# Altium PCB ROV_MainBoard V2.0.PcbDoc (continued)
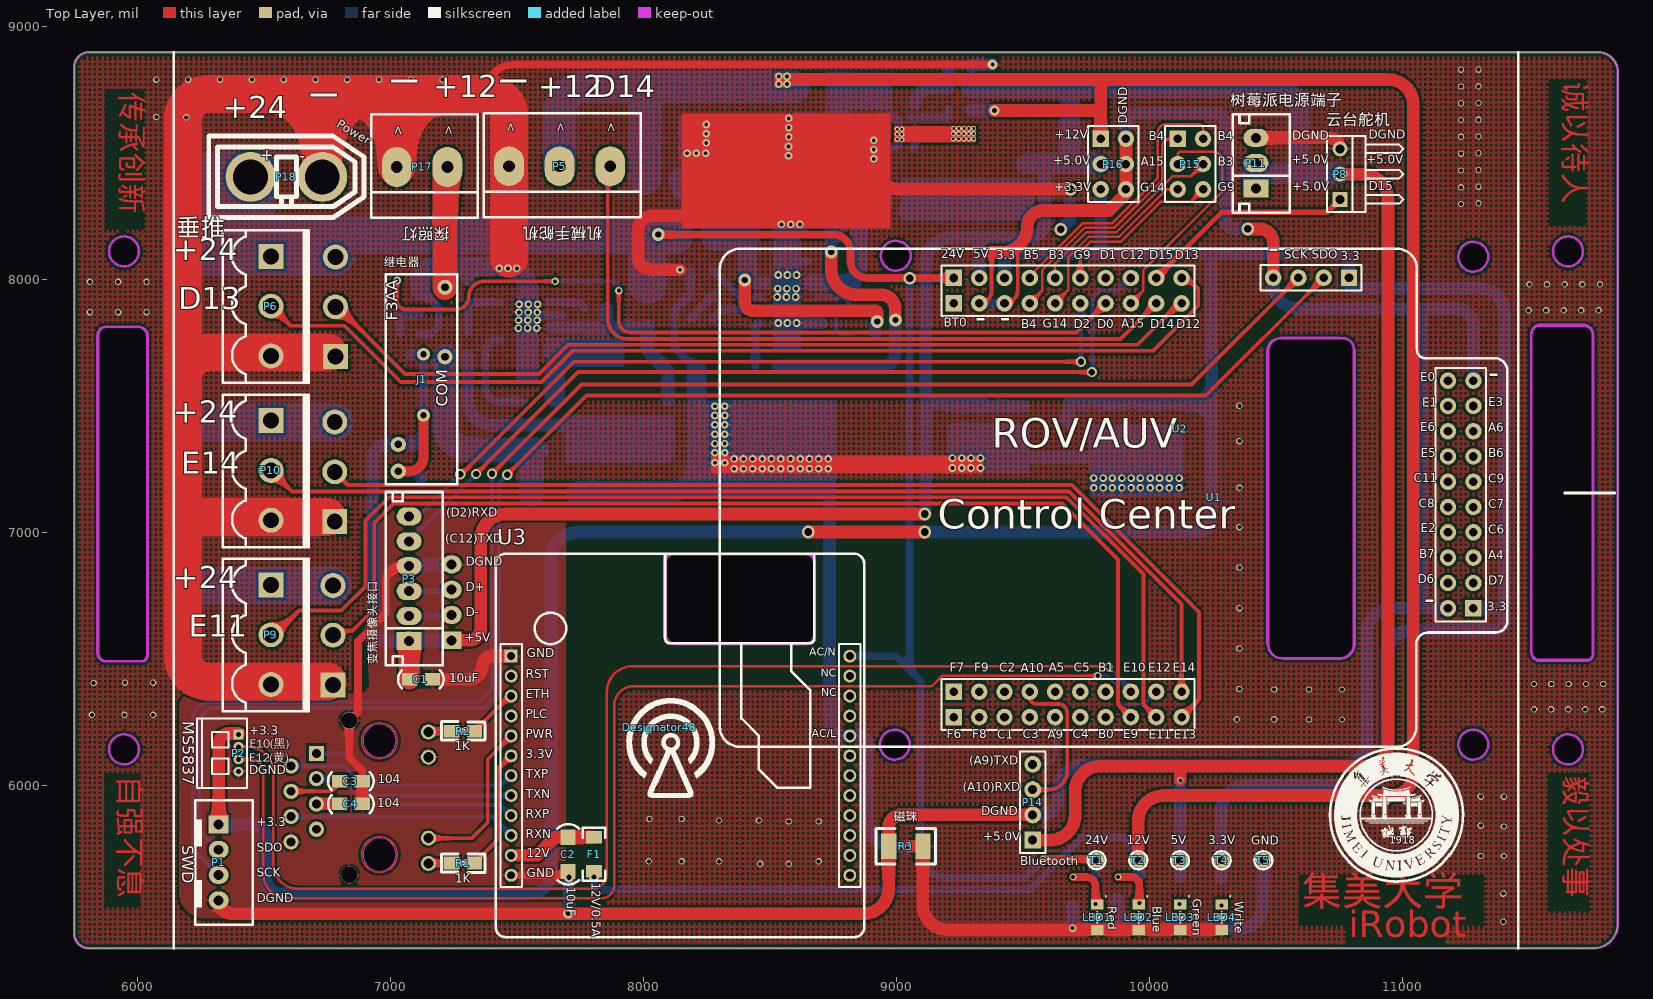
[diagram p0: Top Layer view]
## Nets (pads, with @x,y where several pads share a name; then routed paths per layer and width w, separated by ;. In a path a pad name is that pad's centre, name@x,y a point inside that pad or via, vN(x,y) a via of type N, cw(c..) or ccw(c..) an arc to the next point about the centre after c; other vN are vias at no path point)
3.3V: C12.1 C15.2 D3.2 P1.1 P2.1 P16.5 R21.1 T4.1 U1.18 U1.31 U1.61 U6.5 U6.6 U6.7 | length 13468.4
  Top Layer w30: U1.18@9425.93,8005.56 U1.18@9429.56,8005.56
  Top Layer w50: P1.1 6319.09,6162.13 cw(c6361.23,6162.13) 6361.23,6204.26 P2.1@6397.64,6204.26 ; v4(8650,7001) 9104,7001 9107,6998 ccw(c9107,7001) v4(9110,7001)
  Bottom Layer w50: P1.1 6452.31,5844.69 cw(c6452.31,5790) 6507,5790 6507,5629.97 ccw(c6566.97,5629.97) 6566.97,5570 7547,5570 ccw(c7547,5656) 7633,5656 7633,6898 cw(c7733,6898) 7733,6998 7736,7001 v4(8650,7001) ; v4(9110,7001) 10188.55,7001 ccw(c10188.55,7056.45) 10244,7056.45 10244,7508 ; U1.18 9425.93,8072.93 cw(c9455,8072.93) 9455,8102 9810,8102 ; U6.7@9680.4,7428.91 9680.4,7510.4 D3.2 ccw(c10093.05,7510.4) 10093.05,7508 10244,7508 ; P16.5 9805.94,8106.06 ccw(c9810,8106.06) 9810,8102 ; R21.1 10282.8,5874.39 cw(c10284.4,5874.39) 10284.4,5876 10284.4,5900 cw(c10384.4,5900) 10384.4,6000 10834.64,6000 ccw(c10834.64,6100) 10934.64,6100 10934.64,6512 cw(c11034.64,6512) 11034.64,6612 11362.27,6612 ccw(c11362.27,6652.73) 11403,6652.73 11403,7865 ccw(c11303,7865) 11303,7965 10829,7965 cw(c10829,8006.2) U1.61 10787.8,8059.2 ccw(c10745,8059.2) 10745,8102 10227,8102 ; U1.31 11400.86,6699.14 cw(c11400.86,6697) 11403,6697 ; 9810,8102 10227,8102 ; 10227,8102 cw(c10227,8085) 10244,8085 10244,7508
5.0V: C1.2 C11.1 C14.2 D1.2 D6.2 J1.5 P3.1 P4.1 P8.2 P11.1 P11.2 P14.1 P16.3 R20.1 R22.2 R24.1 T3.1 U1.19 U6.3 U6.4 | length 13188.4
  Top Layer w50: P4.1 7309.53,6572.77 ccw(c7309.53,6618.24) 7355,6618.24 7355,6972 cw(c7455,6972) 7455,7072 v4(9110,7072) ; P14.1 9605,5782.38 ccw(c9605,5882.38) 9705,5882.38 9705,5975.41 cw(c9805,5975.41) 9805,6075.41 10133,6075.41 ; v2(10121,6019) 10121,6063.41 cw(c10133,6063.41) 10133,6075.41 ; P8.2 10842,8415.65 cw(c10842,8315.65) 10942,8315.65 10942,6165.02 cw(c10852.39,6165.02) 10852.39,6075.41 10133,6075.41
  Top Layer w80: P3.1 7074,6568.24 C1.2
  Bottom Layer w50: D1.2 cw(c7092.17,7376.1) 7092.17,7347.27 J1.5 6982.93,7347.27 ccw(c6982.93,7292.34) 6928,7292.34 6928,6616.87 ccw(c6974.48,6616.87) 6974.48,6570.39 P3.1 cw(c7074.23,6570.39) 7074.23,6572.77 P4.1 ; v4(9110,7072) ccw(c9110,7077) 9115,7077 9115,7490 ; C14.2 9501,7497 ; U1.19 9325.93,8163.93 cw(c9328,8163.93) 9328,8166 ; C11.1 9135.11,7510.11 ccw(c9135.11,7490) 9115,7490 ; 9586,8455.48 9586,8228 cw(c9524,8228) 9524,8166 9328,8166 ; R20.1 10120.8,5701.77 ccw(c10119.58,5701.77) T3.1 10119.58,6017.58 cw(c10121,6017.58) v2(10121,6019) ; 9115,7490 9115,8066 cw(c9215,8066) 9215,8166 9328,8166
  Bottom Layer w80: R24.1 9695,8755.2 ; R22.2@9508.52,8455.48 9586,8455.48 P16.3 ; D6.2 9684.65,8744.85 cw(c9695,8744.85) 9695,8755.2 ; 10428,8412.65 cw(c10431,8412.65) 10431,8415.65 10530,8415.65 ; 10533,8415.65 10593,8415.65 ; P8.2 10593,8415.65 ; 9695,8755.2 10493,8755.2 cw(c10493,8655.2) 10593,8655.2 10593,8415.65
12.0V: D2.2 F1.1 F4.2 P5.2 P16.1 R4.1 R19.1 R23.1 T2.1 | length 11247
  Top Layer w50: 8546,8790 9797,8790 ; v7(9386,8667.2) 9804.74,8667.2 cw(c9804.74,8666) 9805.94,8666 ; P16.1 9805.94,8666 ; T2.1@9954.75,5713.45 9954.75,5859 cw(c10054.75,5859) 10054.75,5959 10955,5959 ccw(c10955,6046) 11042,6046 11042,8690 ccw(c10942,8690) 10942,8790 9797,8790 ; 9797,8790 cw(c9797,8781.06) 9805.94,8781.06 9805.94,8666
  Bottom Layer w30: v7(7803,5637) 7803,5605 ccw(c7822,5605) 7822,5586 9525,5586 9734,5795 9892,5795 9954.75,5732.25 T2.1
  Bottom Layer w50: R23.1 v7(9386,8667.2) ; T2.1 cw(c9954.75,5699.94) 9957.8,5699.94 R19.1
  Bottom Layer w130: P5.2 7667.13,8660 cw(c7767.13,8660) 7767.13,8760 8009,8760 ; R4.1 8004,8583.05 cw(c8006.6,8583.05) D2.2 8006.6,8757.6 cw(c8009,8757.6) 8009,8760 ; F4.2@8592,8760 8009,8760
  other v1: 8533,8772 8566,8772 8533,8802 8566,8802
CAMERA_USB_D+: P3.3 P4.3 | length 171.5
  Bottom Layer w20: P3.3 7234.67,6767.24 ccw(c7234.67,6772.77) P4.3
CAMERA_USB_D-: P3.2 P4.2 | length 170.6
  Bottom Layer w20: P3.2 7236.24,6668.82 ccw(c7236.24,6672.77) P4.2
DGND: C1.1 C2.1 C3.1 C4.1 P1.4 P2.4 P3.4 P4.4 P14.2 P16.2 P16.4 P16.6 R3.2 U1.2 U1.3 U1.30 U1.40 U1.64 U3.1 U3.12 U4.8 U4.10 U4.13 U4.14 | length 12845.2
  Top Layer w15: U1.2 ccw(c9325.93,7953.81) 9375,7953.81 9375,8107 ; U1.3 ccw(c9425.93,7956.74) 9477.93,7956.74 9477.93,8128.48
  Top Layer w30: 6887,5978 C3.1 6887,6056 6835.26,6107.74 U4.13 6870,6290.32 6870,6569 6980,6679 6980,6808 cw(c7037.67,6808) 7037.67,6865.67 P3.4 ; 7505.69,5643.79 C2.1@7685.49,5643.79
  Top Layer w50: P1.4 ccw(c6371.78,5544.69) 6371.78,5492 v7(7701,5492) 8868,5492 ccw(c8868,5592) 8968,5592 R3.2 8968,5833.38 cw(c9017,5833.38) 9017,5882.38 P14.2 ; C4.1 6887,5978 ; C1.1 7309,6419 ccw(c7309,6472) 7362,6472 cw(c7399.93,6472) 7399.93,6509.93 U3.1 ; 9375,8107 9416,8107 ccw(c9416,8207) 9477.93,8128.48 ccw(c9416,8207) 9516,8207 cw(c9581,8207) 9581,8272 9839,8272 9905.94,8338.94 P16.6 P16.4 P16.2 ; v4(10387.8,8199) 10434.63,8199 cw(c10434.63,8145.84) 10487.8,8145.84 U1.64
  Bottom Layer w30: U1.2 U1.3
  Bottom Layer w50: P3.4 cw(c7078.95,6865.67) 7078.95,6872.77 P4.4 ; v7(7701,5492) ccw(c7701,5495) 7704,5495 v7(7704,5636) ; P14.2 9571.38,5882.38 ccw(c9571.38,5949) 9638,5949 9638,5980 cw(c9738,5980) 9738,6080 10762,6080 ccw(c10762,6176) 10858,6176 10858,6599.14 cw(c10958,6599.14) 10958,6699.14 11073,6699.14 ; P16.2 9905.94,8617.94 cw(c9944,8617.94) 9944,8656 10258.88,8656 cw(c10258.88,8616.88) 10298,8616.88 10298,8241 ccw(c10340,8241) 10340,8199 v4(10387.8,8199) ; U1.64 10487.8,7984 ccw(c10587.8,7984) 10587.8,7884 11212.37,7884 cw(c11212.37,7816.78) 11279.59,7816.78 U1.40 ; 11074,7878 11074,6700.14 cw(c11073,6700.14) 11073,6699.14 ; U1.30 11073,6699.14
EPHY_RX_N: U3.10 U4.6 | length 901.2
  Bottom Layer w15: U4.6 7401.29,5875.66 U3.10
EPHY_RX_P: U3.9 U4.3 | length 830.8
  Bottom Layer w15: U4.3 6799.34,6025.66 6903,5922 7433.69,5922 U3.9
EPHY_TX_N: U3.8 U4.2 | length 918.9
  Bottom Layer w15: U4.2 6813.34,6075.66 6930.25,5958.75 U3.8
EPHY_TX_P: U3.7 U4.1 | length 838
  Bottom Layer w15: U4.1 6825.34,6125.66 6951,6000 7438.2,6000 U3.7
GND: C6.1 C7.2 C8.2 C9.1 C11.2 C12.2 C14.1 C15.1 C16.2 C17.1 C18.1 C19.2 C21.2 C22.1 C23.1 C24.2 D2.1 D3.1 D4.1 D5.1 D6.1 LED1.2 LED2.2 LED3.2 LED4.2 P5.3 P6.3 P7.1 P8.3 P9.3 P10.3 P11.3 P12.1 P13.1 P17.2 P18.2 Q1.2 R3.1 R8.1 R9.1 R10.1 R11.1 R15.1 R16.2 R18.2 R25.1 T5.1 U3.13 U5.4 U5.9 U6.1 U6.2 U7.6 U7.9 U8.1 | length 20490.3
  Top Layer w30: 7384,8732 7384,8749 cw(c7484,8749) 7484,8849 v10(9379,8849)
  Top Layer w50: v1(8143,8038) 8026,8038 cw(c8026,8040) 8024,8040 cw(c8024,8087) 7977,8087 7977,8192 cw(c8036,8192) 8036,8251 8222,8251 ; v1(8909,8549) v1(8909,8476) 8909,8456 ccw(c9009,8456) 9009,8356 v4(9687,8356) ; v2@9047,5758 R3.1 9103,5527.98 ccw(c9203,5527.98) 9203,5427.98 LED1.2 LED2.2 LED3.2 LED4.2 ; P11.3 10708.76,8559.23 cw(c10708.76,8515.65) P8.3
  Top Layer w150: P18.2 6728.73,8732 ; P12.1@6748.03,7059.98 6190.98,7059.98 ccw(c6190.98,7047) 6178,7047 ; P13.1@6750.03,6409.98 6278,6409.98 cw(c6278,6509.98) 6178,6509.98 6178,7047 ; P7.1@6750.03,7709.98 6278,7709.98 ccw(c6278,7609.98) 6178,7609.98 ; P17.2 7023.23,8732 ; 7467.15,8082.5 cw(c7470,8082.87) 7467.13,8082.87 P5.3 7467.13,8648.87 ccw(c7384,8648.87) 7384,8732 7023.23,8732 ; 6178,7047 6178,7609.98 ; 6178,7609.98 6178,8632 cw(c6278,8632) 6278,8732 6728.73,8732 ; 6728.73,8732 7023.23,8732
  Bottom Layer w20: U7.9 U7.9@7574.98,7858.68
  Bottom Layer w30: Q1.2 7160.42,7783.16 7190,7812.74 7190,7886.8 R8.1@7117.8,7959 ; U7.9@7574.98,7858.68 U7.6@7680,7858.68 ; R9.1 8183.49,8036.8 8183.49,7940.8 8120,7877.31 8120,7730 C16.2 ; C7.2@8635.11,8186.81 8517,8186.81 cw(c8517,8162.61) 8541.2,8162.61 8541.2,8065 cw(c8548.2,8065) 8548.2,8072 C6.1@8649.8,8072 ; C24.2@8645,8494 C24.2
  Bottom Layer w50: R8.1@7117.8,7959 cw(c7217.8,7959) 7136.8,8017.65 ; R15.1 7305.8,8050.34 ; 8201.91,7227.28 8634,7227.28 cw(c8634,7127.28) 8734,7127.28 8734,6242.96 ccw(c8781.99,6242.96) 8781.99,6194.97 U3.13 8854.03,6194.97 cw(c8854.03,6165) 8884,6165 8884,5856 ccw(c8984,5856) 8984,5756 v2(9045,5756) ; v1@8573,7825 cw(c8577.2,7825) 8577.2,7829.2 U5.4@8701,7829.2 ; C24.2 8645,8619 C23.1 ; 8905,8572 8905,8419 ccw(c8936,8419) C21.2 8954,8370 C22.1 ; C14.1 9475,7407 ; R25.1@9296.31,8843 ccw(c9296.31,8841.2) R25.1 9294.51,8841 9302.51,8849 v10(9379,8849) ; 9506,7407 9475,7407 ; v4(9648,8197) 9684.65,8233.65 D6.1 ; v1@9694.83,5435 R16.2@9694.83,5522.51 ; v1@9695.04,5431.17 9870.8,5431.17 ; C15.1 10026.05,7400 D3.1 cw(c10050.25,7335.4) 10050.25,7295 9508,7295 cw(c9508,7328) 9475,7328 9475,7407 ; R18.2 9870.8,5431.17 ; T5.1 10449.23,5531.17 cw(c10349.23,5531.17) 10349.23,5431.17 9870.8,5431.17
  Bottom Layer w80: R8.1@7117.8,7959 7117.8,7991.05 cw(c7177.08,7991.05) 7177.08,8050.34 7305.8,8050.34 7444.53,8050.34 cw(c7444.53,7950.34) 7544.53,7950.34 U7.9 ; D4.1@7729.6,7149.65 cw(c7741.6,7149.65) 7741.6,7161.65 8108,7161.65 ccw(c8108,7261.65) 8201.91,7227.28 ccw(c8108,7261.65) 8208,7261.65 C19.2 C16.2
  other v1: 9695.04,5435 9779,7175 9815.5,7175 9852,7175 9890,7175 9926.5,7175 9963,7175 10002,7175 10038.5,7175 10077,7175 10116,7175 9779,7214 9815.5,7214 9852,7214 9890,7214 9926.5,7214 9963,7214 10002,7214 10038.5,7214 10077,7214 10116,7214 8357,7251 8393.5,7251 8430,7251 8468,7251 8504.5,7251 8541,7251 8580,7251 8618,7251 8654.5,7251 8691,7251 8729,7251 9220,7254 9256.5,7254 9293,7254 9331,7254 8281,7275 8320,7275 8357,7290 8393.5,7290 8430,7290 8468,7290 8504.5,7290 8541,7290 8580,7290 8618,7290 8654.5,7290 8691,7290 8729,7290 9220,7293 9256.5,7293 9293,7293 9331,7293 8281,7314 8320,7314 8281,7350.5 8320,7350.5 8281,7387 8320,7387 8281,7425 8320,7425 8281,7461.5 8320,7461.5 8281,7498 8320,7498 7504,7807 7540.5,7807 7577,7807 8531,7827 8567.5,7827 8604,7827 7505,7838 7541.5,7838 7578,7838 7506,7869 7542.5,7869 7579,7869 7507,7901 7543.5,7901 7580,7901 8527,7930 8563.5,7930 8600,7930 8529,7963 8565.5,7963 8602,7963 8531,8017 8567.5,8017 8604,8017 7428,8043 7463,8043 7498,8043 8544,8217 8580.5,8217 8617,8217 8572,8488.5 8171,8498 8207.5,8498 8244,8498 8909,8512.5 8572,8525 8247,8539 8573,8563 8247,8575.5 8573,8599.5 8247,8612 8573,8636
  other v2: 11397.64,5460 11397.64,5570.87 8460,5688.98 8572.83,5688.98 8020,5698.82 8149.61,5698.82 8297.24,5698.82 8690.94,5698.82 11309.06,5720 11400,5720 11400,5836.61 11309.06,5840 8572.83,5856.3 8690.94,5856.3 8297.24,5860 8454.72,5860 8021.65,5866.14 8149.61,5866.14 11309.06,5954.72 11400,5954.72 10344.49,6260 10492.13,6260 10629.92,6259.84 10760,6259.84 5818,6278 5947,6278 6060,6278 11520,6300 11587.25,6300 11654.5,6300 11721.75,6300 11789,6300 10492.13,6377.95 10629.92,6377.95 10760,6377.95 10354.33,6380 11519,6400 11587.5,6400 11656,6400 11724.5,6400 11793,6400 5825,6404 5949,6405 6060,6405 10354.33,6540 10354.33,6700 10354.33,6860.24 10354.33,7020 10354.33,7175.2 10354.33,7360 10354.33,7500 5810,7870 5922,7870 6034,7870 11498,7877 11567.25,7877 11636.5,7877 11705.75,7877 11775,7877 11501,7980 11570.75,7980 11640.5,7980 11710.25,7980 11780,7980 5810,7990 5922,7990 6034,7990 11230.32,8297.24 11300,8300 11230.32,8363.68 11300,8366.09 11230.32,8430.12 11300,8432.18 11230.32,8496.56 11300,8498.28 11230.32,8562.99 11300,8564.37 11230.32,8629.43 11300,8630.46 6190.94,8640 6072.83,8641.73 11230.32,8695.87 11300,8696.56 11230.32,8762.3 11300,8762.65 6072.83,8789.37 6198.6,8789.37 6324.37,8789.37 6450.13,8789.37 6575.9,8789.37 6701.66,8789.37 6827.43,8789.37 6953.19,8789.37 7078.96,8789.37 7204.72,8789.37 11230.32,8828.74 11300,8828.74
I2C_SCL(E10): P2.2 U1.53 | length 4878.9
  Top Layer w10: P2.2 6435,6151.57 cw(c6435,6051.57) 6535,6051.57 6535,5690 ccw(c6635,5690) 6635,5590 7793,5590 ccw(c7793,5651) 7854,5651 7854,6369.78 cw(c7954,6369.78) 7954,6469.78 9836.22,6469.78 v9(9837,6469)
  Bottom Layer w10: P2.2@6397.64,6135.05 P2.2 ; v9(9837,6469) 9925.54,6380.46 U1.53
I2C_SDA(E12): P2.3 U1.52 | length 5013.9
  Top Layer w10: P2.3 6444.64,6102.36 cw(c6444.64,6052) 6495,6052 6495,5652 ccw(c6595,5652) 6595,5552 7831,5552 ccw(c7831,5604) 7883,5604 7883,6315 cw(c7959,6315) 7959,6391 8802,6391 8802.04,6391.04 9139.04,6391.04 9181,6433 v9(9794,6433)
  Bottom Layer w10: v9(9794,6433) 9831,6433 9873,6391 9873,6338 9891,6320 9976.57,6320 U1.52
IN_24V: F2.1 F3.1 P6.1 P7.3 P9.1 P10.1 P12.3 P13.3 P18.1 R17.1 T1.1 U1.20 U3.16 | length 10629.5
  Top Layer w30: v5(8057,8177) ccw(c8058,8177) 8058,8176 8750.43,8176 cw(c8750.43,8109.43) 8817,8109.43 8817,8071.53 ccw(c8883.4,8071.53) 8883.4,8005.13 U1.20 ; v2(9579,5708) T1.1@9784.73,5708
  Top Layer w50: T1.1@9786.94,5700 T1.1
  Bottom Layer w30: 8844.27,6509.93 8995,6509.93 9051,6453.93 ; v4(9051,8004) 9051,6453.93 ; v2(9579,5708) 9505,5634 9195,5634 cw(c9195,5734) 9095,5734 9095,6409.93 9051,6453.93 ; R17.1 9784.8,5697.85 cw(c9789.93,5697.85) T1.1
  Bottom Layer w150: 6371.7,8176.7 6968,8176.7 ; P18.1@6405.27,8405 6273,8405 ccw(c6273,8305) 6173,8305 6173,8076 ; 6463,8113 P7.3@6742,8113 ; P13.3 6273,6789.7 cw(c6273,6889.7) 6173,6889.7 6173,7430 ; P12.3 6178.7,7435.7 ccw(c6178.7,7430) 6173,7430 ; P7.3 6184.7,8087.7 ccw(c6184.7,8076) 6173,8076 ; 6781,8175.81 F2.1@8121.19,8175.81 ; F3.1 8015,8160.81 ; 6173,7430 6173,8076
IO(F6): U1.41
LIGHT(D0): R6.2 U1.7 | length 3187.7
  Top Layer w15: v8@7024,7995 7024,7915 ccw(c7058,7915) 7058,7881 7258,7881 ccw(c7258,7931) 7308,7931 cw(c7369,7931) 7369,7992 v8(7649,7992) ; v8(7901,7955) 7901,7833.82 ccw(c7944.82,7833.82) 7944.82,7790 9710.8,7790 U1.7
  Bottom Layer w15: v8@7024.2,7994.2 cw(c7025,7994.2) v8(7025,7995) ; v8(7649,7992) 7881,7992 cw(c7881,7972) 7901,7972 v8(7901,7955)
LIGHT_12.0V: D4.2 J1.1 R12.1 | length 870.6
  Bottom Layer w100: J1.1 7214.02,7425 ccw(c7314.02,7425) 7314.02,7325 R12.1 ccw(c7573,7306.6) 7554.6,7306.6 D4.2@7554.6,7149.65
LIGHT_PWR+: J1.3 P17.1 | length 480.9
  Top Layer w100: J1.3 7214.02,8434.73 cw(c7223.23,8434.73) P17.1
NetC3_2: C3.2 U4.4 | length 238.8
  Top Layer w15: U4.4 6763.66,5975.66 C3.2@6820.5,6032.5
NetC4_2: C4.2 U4.5 | length 92.1
  Top Layer w50: U4.5 6705.26,5926 C4.2
NetC5_1: C5.1 L1.1 U5.1 | length 1129.1
  Bottom Layer w70: L1.1@8407.72,8596.74 8407.72,8512 ccw(c8507.72,8512) 8507.72,8412 8764,8412 cw(c8764,8324) 8852,8324 8852,8067.79 cw(c8752,8067.79) 8822.71,7997.08 C5.1 U5.1@8669,7986.65
NetC5_2: C5.2 U5.2 | length 152.1
  Bottom Layer w20: U5.2 8779.72,7929.2 cw(c8779.72,7896.65) C5.2
NetC6_2: C6.2 C7.1 L1.2 R4.2 R7.1 | length 1962.9
  Top Layer w50: v5(8741,8108) 8741,8039 ccw(c8841,8039) 8841,7939 8936.64,7939 cw(c8936.64,7881.64) 8994,7881.64 v5@8994,7839
  Bottom Layer w50: R7.1 8944.27,7657.2 ccw(c8944.27,7707.93) 8995,7707.93 v5(8995,7839) ; C6.2 C7.1@8739.8,8163.39
  Bottom Layer w80: R4.2 ccw(c8215,8398) 8215,8322 8706,8322 cw(c8706,8274.78) 8753.22,8274.78 C7.1
NetC8_1: C8.1 C9.2 F2.2 R5.1 U5.8 | length 1027.7
  Top Layer w50: v5(8399,7997) 8399,7911 ccw(c8434,7911) 8434,7876 8912.54,7876 cw(c8912.54,7865.54) 8923,7865.54 v5(8923,7833)
  Bottom Layer w50: R5.1 8915.21,7825.21 cw(c8923,7825.21) v5(8923,7833)
  Bottom Layer w80: F2.2 cw(c8287.23,8174) F2.2@8287.23,8176.81 ; v5@8410,8004 C9.2 C8.1@8410,8195.7
  Bottom Layer w130: F2.2@8287.23,8176.81 C8.1
NetC10_1: C10.1 R10.2 | length 139.3
  Bottom Layer w30: C10.1 8273.49,7936.49 R10.2@8273.49,7940.8 ; C10.1@8194.38,7846.51 cw(c8194.38,7843.85) C10.1@8197.04,7843.85
NetC10_2: C10.2 U5.6 | length 202.3
  Bottom Layer w30: C10.2 8306.2,7879.2 U5.6
NetC13_1: C13.1 D5.2 L2.1 U7.8 | length 111.3
  Bottom Layer w80: 7642,7713 cw(c7642,7709.6) 7645.4,7709.6 ; 7647.4,7535.4 D5.2
NetC13_2: C13.2 U7.1 | length 412.3
  Bottom Layer w30: U7.1 7414.68,7758.68 ccw(c7414.68,7719) 7375,7719 7375,7564 ccw(c7422,7564) 7422,7517 7523,7517 cw(c7523,7516) C13.2
NetC16_1: C16.1 C18.2 F3.2 R13.1 U7.7 | length 792.2
  Bottom Layer w50: U7.7@7634,7808.68 7865,7808.68 ; R13.1 7853.51,7820.17 ccw(c7865,7820.17) 7865,7808.68 ; F3.2 F3.2@8015,7808.68 ; C18.2 8096,7635.89 C16.1 8015,7716.89 F3.2@8015,7808.68 ; 7865,7808.68 F3.2@8015,7808.68
NetC17_2: C17.2 C19.1 L2.2 R12.2 R14.1 | length 843
  Bottom Layer w50: R14.1 7304.2,7524 ccw(c7404.2,7524) 7404.2,7424 7778,7424 ccw(c7778,7427) 7781,7427 ; C19.1@8096,7306.11 C17.2
NetC20_1: C20.1 U8.6 | length 95.1
  Bottom Layer w25: C20.1@9059,8516 ccw(c9059,8528.97) 9071.97,8528.97 U8.6
NetC20_2: C20.2 L3.2 U8.2 | length 216.3
  Bottom Layer w25: C20.2@8969,8516 ccw(c8969,8555) C20.2@8993.75,8524.86
  Bottom Layer w35: U8.2@8933,8641.08 U8.2 8984.92,8641.08 cw(c8984.92,8618) 9008,8618 9008,8539.11 cw(c8993.75,8539.11) C20.2@8993.75,8524.86
  other v3: 9020,8552 9001,8553 9224,8555 9244,8555 9265,8555 9285,8555 9304,8555 9020,8573 9001,8573.5 9224,8575.5 9244.5,8575.5 9265,8575.5 9285,8575.5 9304,8575.5 9020,8593 9001,8594 9225,8596 9245,8596 9266,8596 9285,8596 9304,8596
NetC21_1: C21.1 C22.2 L3.1 R22.1 | length 448
  Bottom Layer w80: C22.2 9492,8273
NetC23_2: C23.2 C24.1 F4.1 U8.3
NetD1_1: D1.1 J1.4 Q1.3 | length 712.2
  Top Layer w40: J1.4 7072.3,7240.97 ccw(c7072.3,7297.67) 7129,7297.67 v5(7129,7463)
  Bottom Layer w40: J1.4 7075.03,7240.97 cw(c7075.03,7195) D1.1 ; Q1.3 v5(7129,7703.16) v5(7129,7463) ccw(c7130,7463) v5@7130,7462
NetLED1_1: LED1.1 R16.1 R17.2 | length 179.3
  Top Layer w30: v2(9697,5637) 9747,5637 cw(c9747,5598) 9786,5598 v2(9786,5530)
NetLED2_1: LED2.1 R18.1 R19.2 | length 173.3
  Top Layer w30: v2(9875,5637) 9927,5637 cw(c9927,5605) 9959,5605 v2(9959,5534)
NetLED3_1: LED3.1 R20.2
  other v2: 10118,5531
NetLED4_1: LED4.1 R21.2
  other v2: 10284,5525
NetQ1_1: Q1.1 R6.1 R8.2 | length 162.6
  Bottom Layer w30: R6.1 R8.2 ; Q1.1 R6.1@7036.48,7852.21
NetR1_1: R1.1 U4.12 | length 93
  Top Layer w30: U4.12 7149.76,5692.2 R1.1
NetR2_2: R2.2 U4.9 | length 93.8
  Top Layer w30: U4.9 7151.66,6213.8 R2.2
NetR5_2: R5.2 U5.3 | length 218.9
  Bottom Layer w20: U5.3 8733.8,7879.2 cw(c8733.8,7853) 8760,7853 8760,7808.21 ccw(c8782.21,7808.21) 8782.21,7786 R5.2
NetR7_2: R7.2 R11.2 U5.5 | length 182.4
  Bottom Layer w30: R7.2 R11.2 8440.51,7810.98 cw(c8458.72,7810.98) U5.5
NetR9_2: R9.2 U5.7 | length 232.6
  Bottom Layer w30: R9.2 8381.09,7929.2 U5.7
NetR13_2: R13.2 U7.5 | length 152.5
  Bottom Layer w30: U7.5@7625,7908.68 7739.04,7908.68 cw(c7739.04,7884.2) R13.2
NetR14_2: R14.2 R15.2 U7.4 | length 247.2
  Bottom Layer w30: R14.2 7305.8,7791.08 R15.2 7305.96,7908.68 U7.4
NetR23_2: R23.2 U8.5 | length 152.3
  Bottom Layer w30: U8.5@9054,8641.08 9202.84,8641.08 ; R23.2@9202.84,8671.08 ccw(c9202.84,8673.25) R23.2@9205.02,8673.25
NetR24_2: R24.2 R25.2 U8.4 | length 237.8
  Bottom Layer w50: 9072,8693 cw(c9134.2,8693) 9134.2,8755.2 R24.2 ; R25.2 9204.51,8772.18 R24.2@9205.02,8771.68
PLC_3.3V: R1.2 U3.6 | length 484.2
  Top Layer w15: R1.2 7419,5780.69 7419,6059.54 U3.6
PLC_12V: C2.2 F1.2 U3.11 | length 327
  Top Layer w50: 7505.69,5722.53 7577.53,5722.53 7649.1,5794.1 C2.2 ; C2.2@7700.8,5794 F1.2
PLC_ETH: R2.1 U3.3 | length 196.1
  Top Layer w15: R2.1 U3.3@7469.17,6352.45
PLC_PWR: U3.5 U4.11 | length 641.1
  Top Layer w15: U4.11 7320.46,5790.46 7383,5853 7383,6102.28 U3.5
SPI1_MISO(B4): P15.1 U1.4 | length 984.5
  Top Layer w10: U1.4@9525.35,7905.17 9575,7954.82 9575,8036 9743,8204 9860.46,8204 10050,8393.54 10050,8525.45 cw(c10080.03,8525.45) 10080.03,8555.48 P15.1
SPI1_MOSI(B5): P15.2 U1.17 | length 1099.7
  Top Layer w10: U1.17@9525.35,8005.56 9525.35,8011.8 9735.54,8222 9853,8222 10032,8401 10032,8580 cw(c10065,8580) 10065,8613 10190.55,8613 cw(c10190.55,8592.61) 10210.94,8592.61 P15.2
SPI1_NSS(A15): P15.3 U1.8 | length 953.3
  Top Layer w10: U1.8@9924.95,7905.17 9974,7954.21 9974,8034 10286,8346 10286,8470 ccw(c10251,8470) 10251,8505 10124,8505 ccw(c10124,8491.94) 10110.94,8491.94 P15.3
SPI1_SCK(B3): P15.4 U1.16 | length 804.5
  Top Layer w10: U1.16@9625.15,8005.56 9625.15,8060.69 9750.46,8186 9867.91,8186 10088.91,8407 10162.47,8407 P15.4
SWD_SCK: P1.3 U1.63 | length 6260.9
  Top Layer w15: v6(7400,7231) 7753,7584 10165.59,7584 U1.63
  Bottom Layer w15: P1.3 6217,5746.78 6217,6259 cw(c6285.55,6259) 6285.55,6327.55 7348.55,6327.55 7400,6379 v6(7400,7231)
SWD_SDO: P1.2 U1.62 | length 6200
  Top Layer w15: v6(7460,7227) 7773,7540 10221.59,7540 U1.62
  Bottom Layer w15: P1.2 6242,5821.78 6242,6182 cw(c6342,6182) 6243.53,6199.44 6243.53,6241.14 cw(c6306.94,6241.14) 6306.94,6304.55 7367.55,6304.55 7427,6364 7427,7194 v6(7460,7227)
TIM1(D12): P7.2 U1.10 | length 3599.7
  Top Layer w15: P7.2@6751,7890.85 6791.15,7890.85 7056,7626 7585,7626 7700,7741 9951,7741 10115.17,7905.17 U1.10@10125.35,7905.17
TIM1(D13): P6.2 U1.11 | length 4065.9
  Top Layer w15: P6.2 6603.71,7816 6817,7816 7039,7594 7595,7594 7718,7717 10013,7717 10192,7896 10192,7962 10148.44,8005.56 U1.11@10125.35,8005.56
TIM1(D14): P5.1 U1.9 | length 2875.3
  Top Layer w15: P5.1@7857.13,8446.85 7857.13,7843.87 ccw(c7937,7843.87) 7937,7764 9884.18,7764 U1.9@10025.35,7905.17
TIM1(D15): P8.1 U1.12 | length 855.4
  Top Layer w20: U1.12@10025.35,8005.56 10284.79,8265 10591.68,8265 10701.68,8265 P8.1
TIM1(E9): P13.2 U1.48 | length 4283.2
  Top Layer w15: P13.2@6741,6592.85 6758.13,6609.98 6846.98,6609.98 6934,6697 6934,7037 7010.45,7113.45 9652.55,7113.45 9874,6892 9874,6320.35 U1.48@9924.95,6269.39
TIM1(E11): P9.2 U1.49 | length 4538.1
  Top Layer w15: P9.2 6541.49,6594.49 6637,6690 6804,6690 6900,6786 6900,7046 6992,7138 9671.47,7138 9975,6834.47 9975,6319.74 U1.49@10025.35,6269.39
TIM1(E13): P12.2 U1.50 | length 4120.3
  Top Layer w15: P12.2@6748,7238.85 6778.65,7238.85 6831,7186.5 9692.5,7186.5 10195,6684 10195,6339.05 U1.50@10125.35,6269.39
TIM1(E14): P10.2 U1.51 | length 4164.7
  Top Layer w15: P10.2 6609.1,7161 9681,7161 10125.35,6716.65 U1.51@10125.35,6369.79
U1_RX(A10): P14.3 U1.57 | length 613
  Top Layer w15: U1.57 9525.93,6346.43 ccw(c9551,6346.43) 9551,6321.36 9637.45,6321.36 cw(c9637.45,6285.08) 9673.73,6285.08 9673.73,6133.3 9673.73,6056.38 cw(c9599.73,6056.38) 9599.73,5982.38 P14.3
U1_TX(A9): P14.4 U1.45 | length 255.9
  Bottom Layer w15: P14.4 9581.39,6082.38 ccw(c9581.39,6126.72) 9625.73,6126.72 U1.45
U5_RX(D2): P3.6 U1.6 | length 3159.2
  Top Layer w15: v6(7274,7229) 7279.53,7229 7724.53,7674 v6(9728,7674)
  Bottom Layer w15: P3.6 7106.52,7062.52 v6@7286,7242 ; U1.6@9725.15,7905.17 9728,7902.31 v6(9728,7674)
U5_TX(C12): P3.5 U1.13 | length 3462.7
  Top Layer w15: v6(7337,7230) 7740,7633 v6(9771,7633)
  Bottom Layer w15: P3.5 7201.76,7094 7201.76,7094.76 v6(7337,7230) ; v6@9774,7625 9774,7928 9802,7956 9875.39,7956 U1.13@9924.95,8005.56
U6_RX(G9): P15.6 U1.15 | length 691.2
  Top Layer w10: U1.15@9725.15,8005.56 9725.15,8108.69 9764.46,8148 9884.46,8148 10042.46,8306 10161.47,8306 P15.6
U6_TX(G14): P15.5 U1.5 | length 747.9
  Top Layer w10: U1.5@9625.15,7905.17 9677,7957.02 9677,8086 9759,8168 9879,8168 10066.48,8355.48 P15.5
pads on no net: U1.1 U1.14 U1.21 U1.22 U1.23 U1.24 U1.25 U1.26 U1.27 U1.28 U1.29 U1.32 U1.33 U1.34 U1.35 U1.36 U1.37 U1.38 U1.39 U1.42 U1.43 U1.44 U1.46 U1.47 U1.54 U1.55 U1.56 U1.58 U1.59 U1.60 U3.0 U3.2 U3.4 U3.14 U3.15 U4.7 U4.MH3 U6.8 U7.2 U7.3

## Polygon pours and split planes (outlines as drawn)
GND on Top Layer "Top Layer-No Net" (hatched 90Degree grid 20 track 10, remove dead copper, pour order 10): 5356,8349 ccw(c5356,8391) 5398,8391 5398,8938 5398,9039 cw(c5498,9039) 5498,9139 7047,9139 11970,9139 cw(c11970,9039) 12070,9039 12070,6804 12070,5213 cw(c11970,5213) 11970,5113 11446,5113 5518,5113 cw(c5518,5213) 5418,5213 5418,5689
DGND on Top Layer "Top Layer-No Net" (solid, remove dead copper, pour order 6): 6885,6866 6885,7069 cw(c6980,7069) 6980,7164 7166,7164 7591,7164 cw(c7591,7064) 7691,7064 7691,6503 7691,5574 cw(c7591,5574) 7591,5474 7493,5474 6264,5474 cw(c6264,5574) 6164,5574 6164,5622 6164,6311 cw(c6216,6311) 6216,6363 6875,6363 ccw(c6875,6402) 6914,6402
GND on Bottom Layer "Top Layer-No Net" (hatched 90Degree grid 20 track 10, remove dead copper, pour order 12): 5477,7821 5477,8640 5477,8937 cw(c5577,8937) 5577,9037 6283,9037 12076,9037 cw(c12076,8937) 12176,8937 12176,8180 12176,5249 cw(c12076,5249) 12076,5149 11205,5149 5602,5149 cw(c5602,5249) 5502,5249 5502,5798

## Keep-outs
Keep-Out Layer:
  circle w10: c8992,6160 r59.06
  circle w10: c8996,8093 r59.06
  circle w10: c5944.88,8110.24 r59.06
  circle w10: c5944.88,6141.73 r59.06
  circle w10: c11653.54,6141.73 r59.06
  circle w10: c11653.54,8110.24 r59.06
  circle w10: c11279,8089 r59.06
  circle w10: c11279,6160 r59.06
  lines w10: 6036,7775.58 ccw(c5999.58,7775.58) 5999.58,7812 5876,7812 ccw(c5876,7779) 5843,7779 5843,6521 ccw(c5874,6521) 5874,6490 6012.52,6490 ccw(c6012.52,6513.48) 6036,6513.48 6036,7777 ; 8086,6815 8086,6887 ; 8086,6822 8086,6597 ccw(c8124,6597) 8124,6559 8640,6559 ccw(c8640,6592) 8673,6592 8673,6883 ccw(c8644,6883) 8644,6912 8111,6912 ccw(c8113.5,6884.5) 8086,6882 ; 10807,6550 10807,7724.13 ccw(c10764.13,7724.13) 10764.13,7767 10519,7767 ccw(c10519,7716) 10468,7716 10468,6557.3 ccw(c10524.3,6557.3) 10524.3,6501 10750.04,6501 ccw(c10750.04,6557.96) 10807,6557.96 ; 11752,7780.58 ccw(c11715.58,7780.58) 11715.58,7817 11542,7817 ccw(c11542,7784) 11509,7784 11509,6526 ccw(c11540,6526) 11540,6495 11728.52,6495 ccw(c11728.52,6518.48) 11752,6518.48 11752,7782 ; 5748.03,5413.39 ccw(c5807.09,5413.39) 5807.09,5354.33 11751.97,5354.33 ccw(c11751.97,5452.76) 11850.39,5452.76 11850.39,8818.9 ccw(c11771.65,8818.9) 11771.65,8897.64 5807.09,8897.64 ccw(c5807.09,8838.58) 5748.03,8838.58 5748.03,5413.39

## Other copper
Top Layer:
  rectangle net GND: 8266,7233 9342,7304
  rectangle net NetC20_2: 8989,8541 9313,8605
  rectangle net 12.0V: 8515,8758 8582,8816
  rectangle net GND: 8148,8201 8975,8655
  text "诚以待人" at 11610,8780 h150 r270
  text "传承创新" at 5905,8742 h150 r270
  text "毅以处事" at 11613,6038 h150 r270
  text "自强不息" at 5896,6035 h150 r270
  text "集美大学" at 10600,5486 h200
  text "iRobot" at 10786,5364 h180
Bottom Layer:
  rectangle net GND: 9201,7233 9524,7418
  rectangle net NetC21_1: 9015,8230 9544,8397
  rectangle net IN_24V: 6102,8037 6538,8505
  rectangle net GND: 8881,8563 8981,8612
  rectangle net NetC23_2: 8740,8669 8981,8818
  rectangle net NetC23_2: 8722,8470 8813,8821
  rectangle net GND: 8510,7722 8622,8226
  rectangle net NetC17_2: 7689,7274 8108,7461
  rectangle net NetC5_1: 8634,7959 8791,8009
  region net NetC13_1: 7923,7769 7611,7769 7611,7654 7923,7654
  region net GND: 7583,7933 7494,7933 7494,7591 7583,7591
  rectangle net NetC8_1: 8384,7962 8498,8011
  rectangle net GND: 8533,8469 8677,8660
  rectangle net GND: 8135,8464 8272,8639
  rectangle net GND: 8169,7131 8760,7522
  rectangle net GND: 9759,7144 10134,7425
  rectangle net 5.0V: 10367,8327 10466,8488

## Silkscreen, mask and mechanical layers (free items; w line width, h text height)
Top Overlay:
  lines w10: 6141.73,5354.33 6141.73,8897.64 ; 11456.69,5354.33 11456.69,8897.64 ; 11641.15,7155 11838,7155
  text "+12" at 7168,8690 h150
  text "+12" at 7583,8690 h150
  text "D14" at 7799,8690 h150
  text "DGND" at 9922,8615 h60 r90
  text "+24" at 6335,8606 h150
  text "-" at 6982,8588.67 h500
  text "-" at 7412,8588.67 h500
  text "+12V" at 9624,8543 h60
  text "DGND" at 10866.14,8543.31 h60
  text "DGND" at 10564,8540 h60
  text "B4" at 10267.94,8538 h60
  text "B4" at 9996.52,8537 h60
  text "-" at 6664,8534 h500
  text "+5.0V" at 10856.3,8444.88 h60
  text "+5.0V" at 10562,8444 h60
  text "+5.0V" at 9619,8440 h60
  text "B3" at 10267.94,8437.28 h60
  text "A15" at 9964,8436.28 h60
  text "D15" at 10866.14,8340 h60
  text "+5.0V" at 10563,8339 h60
  text "+3.3V" at 9622,8337 h60
  text "G9" at 10268,8336 h60
  text "G14" at 9962.72,8335 h60
  text "垂推" at 6152,8147 h120
  text "+24" at 6139,8045 h150
  text "D13" at 6159.82,7851 h150
  text "+24" at 6139,7403 h150
  text "ROV/AUV" at 9376,7294 h200
  text "E14" at 6171.9,7202 h150
  text "(D2)RXD" at 7219,7050 h60
  text "(C12)TXD" at 7214,6947 h60
  text "DGND" at 7295,6855 h60
  text "D+" at 7296,6755 h60
  text "+24" at 6139,6748 h150
  text "D-" at 7296,6655 h60
  text "E11" at 6200.21,6557 h150
  text "+5V" at 7292,6555 h60
  text "+3.3" at 6440,6188 h60
  text "E10(黑)" at 6442,6136 h60
  text "E12(黄)" at 6440,6081 h60
  text "(A9)TXD" at 9286,6069 h60
  text "DGND" at 6440,6032 h60
  text "(A10)RXD" at 9261,5964 h60
  text "DGND" at 9334,5869 h60
  text "+3.3" at 6470.06,5825 h60
  text "+5.0V" at 9342,5768 h60
  text "SDO" at 6470.06,5725.33 h60
  text "SCK" at 6470.06,5625.67 h60
  text "DGND" at 6470,5526 h60
Bottom Overlay:
  text "+24" at 6083,8180 h120 r90
  text "垂推" at 6454,7930 h120
  text "D12" at 6444,7855 h120
  text "Raspberry  Pi" at 10228,7651 h250
  text "-" at 6336,7586 h500
  text "+24" at 7004,7517 h120 r90
  text "E13" at 6999,7289 h120 r90
  text "-" at 6334,6935 h500
  text "+24" at 7005,6877 h120 r90
  text "DGND" at 7520,6861 h60
  text "D+" at 7441.52,6760 h60
  text "D-" at 7439,6661 h60
  text "E9" at 7005,6635 h120 r90
  text "+5V" at 7469.77,6572 h60
  text "-" at 6357,6289 h500
Top Solder:
  lines w70: 9020,8573 9285.5,8573.5
  text "诚以待人" at 11610,8781 h150 r270
  text "传承创新" at 5906,8743 h150 r270
  text "毅以处事" at 11613,6039 h150 r270
  text "自强不息" at 5895,6035 h150 r270
  text "集美大学" at 10599,5488 h200
  text "iRobot" at 10786,5364 h180
Bottom Solder:
  rectangle: 6102,8037 6538,8505
  lines w150: 6173,6889.7 ccw(c6273,6889.7) 6273,6789.7 ; 6176,6898 6176,8038 6225.7,8087.7 6781,8087.7 ; 6229.3,7435.7 6778,7435.7 ; 6273,6789 6770.3,6789 ; 6459,8177 8018,8177 8018,8022 ; 8057,8177 8120,8177

## Text inside footprints (layer, text, board x,y; h text height)
F2: Bottom Overlay "~" at 8186,8205 h98.43 r180
F3: Bottom Overlay "~" at 8046,7915 h98.43 r90
F4: Bottom Overlay "~" at 8719,8729 h98.43
J1: Top Overlay "COM" at 7239.61,7496.87 h78.74 r90; Top Overlay "F3AA" at 7042.76,7836.44 h78.74 r90
LOGO: Top Overlay "1918" at 10947.1,5758.18 h50
P5: Top Overlay "V" at 7486.97,8623.82 h50 r180; Top Overlay "V" at 7685.91,8623.82 h50 r180; Top Overlay "V" at 7884.84,8623.82 h50 r180
P17: Top Overlay "V" at 7242.17,8612.01 h50 r180; Top Overlay "V" at 7043.23,8612.01 h50 r180
P18: Top Overlay "-" at 6662,8515 h80 r180; Top Overlay "+" at 6537,8525 h80 r180
U1: Top Overlay "G9" at 9699,8066.89 h60; Top Overlay "G14" at 9577,7795.54 h60; Top Overlay "3.3" at 9394.18,8066.33 h60; Top Overlay "3.3" at 11335.18,6677.54 h60; Top Overlay "-" at 11337.72,7558.53 h150; Top Overlay "E2" at 11071.28,6987.02 h60; Top Overlay "B7" at 11065.4,6886.03 h60; Top Overlay "E0" at 11070.17,7584.53 h60; Top Overlay "E1" at 11077.22,7484.99 h60; Top Overlay "E3" at 11337.58,7485.15 h60; Top Overlay "A6" at 11337.63,7384.7 h60; Top Overlay "E6" at 11070.17,7386.55 h60; Top Overlay "E5" at 11071.28,7284.56 h60; Top Overlay "B6" at 11337.58,7284.25 h60; Top Overlay "C11" at 11044.18,7186.54 h60; Top Overlay "C9" at 11337.63,7183.79 h60; Top Overlay "C8" at 11063.51,7084.57 h60; Top Overlay "C7" at 11337.63,7083.34 h60; Top Overlay "C6" at 11337.63,6982.89 h60; Top Overlay "A4" at 11337.63,6881.88 h60; Top Overlay "D7" at 11337.58,6781.43 h60; Top Overlay "E14" at 10091.18,6435.54 h60; Top Overlay "E12" at 9993.18,6435.54 h60; Top Overlay "E10" at 9895.18,6435.54 h60; Top Overlay "B1" at 9797.18,6435.54 h60; Top Overlay "A5" at 9601.24,6436.31 h60; Top Overlay "A10" at 9490.18,6434.54 h60; Top Overlay "F9" at 9307.18,6435.7 h60; Top Overlay "F7" at 9209.18,6436.31 h60; Top Overlay "C2" at 9405.24,6435.7 h60; Top Overlay "C5" at 9699.24,6435.7 h60; Top Overlay "A15" at 9887,7795.54 h60; Top Overlay "D14" at 10002.18,7794.98 h60; Top Overlay "D12" at 10104.18,7794.98 h60; Top Overlay "D13" at 10099.18,8066.89 h60; Top Overlay "D15" at 9997.18,8066.89 h60; Top Overlay "C12" at 9885,8066.89 h60; Top Overlay "D1" at 9803,8066.33 h60; Top Overlay "D0" at 9792,7795 h60; Top Overlay "D2" at 9699,7795 h60; Top Overlay "B4" at 9492.18,7794.98 h60; Top Overlay "B3" at 9601.68,8066.89 h60; Top Overlay "B5" at 9502.18,8066.89 h60; Top Overlay "-" at 9406.09,7778.47 h150; Top Overlay "-" at 9310.18,7778.47 h150; Top Overlay "BT0" at 9185.18,7800.54 h60; Top Overlay "5V" at 9303.18,8071.89 h60; Top Overlay "24V" at 9175.78,8071.33 h60; Top Overlay "C4" at 9696.57,6172.7 h60; Top Overlay "C3" at 9497.24,6172.7 h60; Top Overlay "C1" at 9397.57,6172.54 h60; Top Overlay "E13" at 10095.18,6172.54 h60; Top Overlay "E11" at 9995.51,6172.54 h60; Top Overlay "E9" at 9895.85,6172.7 h60; Top Overlay "B0" at 9796.18,6172.7 h60; Top Overlay "A9" at 9596.9,6172.54 h60; Top Overlay "F8" at 9297.85,6172.7 h60; Top Overlay "F6" at 9198.18,6172.7 h60; Top Overlay "SDO" at 10640.18,8069.52 h60; Top Overlay "SCK" at 10532.18,8068.52 h60; Top Overlay "3.3" at 10755.18,8063.52 h60; Top Overlay "-" at 10468.18,8052.52 h150; Top Overlay "-" at 11085.9,6666.54 h150; Top Overlay "D6" at 11060.24,6785.59 h60
U3: Top Overlay "NC" at 8701,6339 h55; Top Overlay "NC" at 8700,6416 h55; Top Overlay "AC/L" at 8664,6177 h55; Top Overlay "AC/N" at 8653,6500 h55; Top Overlay "GND" at 7538,5625 h60; Top Overlay "12V" at 7537.94,5703.44 h60; Top Overlay "RXN" at 7534.01,5778.51 h60; Top Overlay "RXP" at 7534.01,5857.51 h60; Top Overlay "TXN" at 7534.06,5936.51 h60; Top Overlay "TXP" at 7534.06,6015.51 h60; Top Overlay "3.3V" at 7534.01,6095.06 h60; Top Overlay "PWR" at 7534.01,6173.51 h60; Top Overlay "PLC" at 7534.01,6253.06 h60; Top Overlay "ETH" at 7534.01,6331.51 h60; Top Overlay "RST" at 7534.01,6411.06 h60; Top Overlay "GND" at 7538,6494 h60